# KiCad board sbc.kicad_pcb (continued)
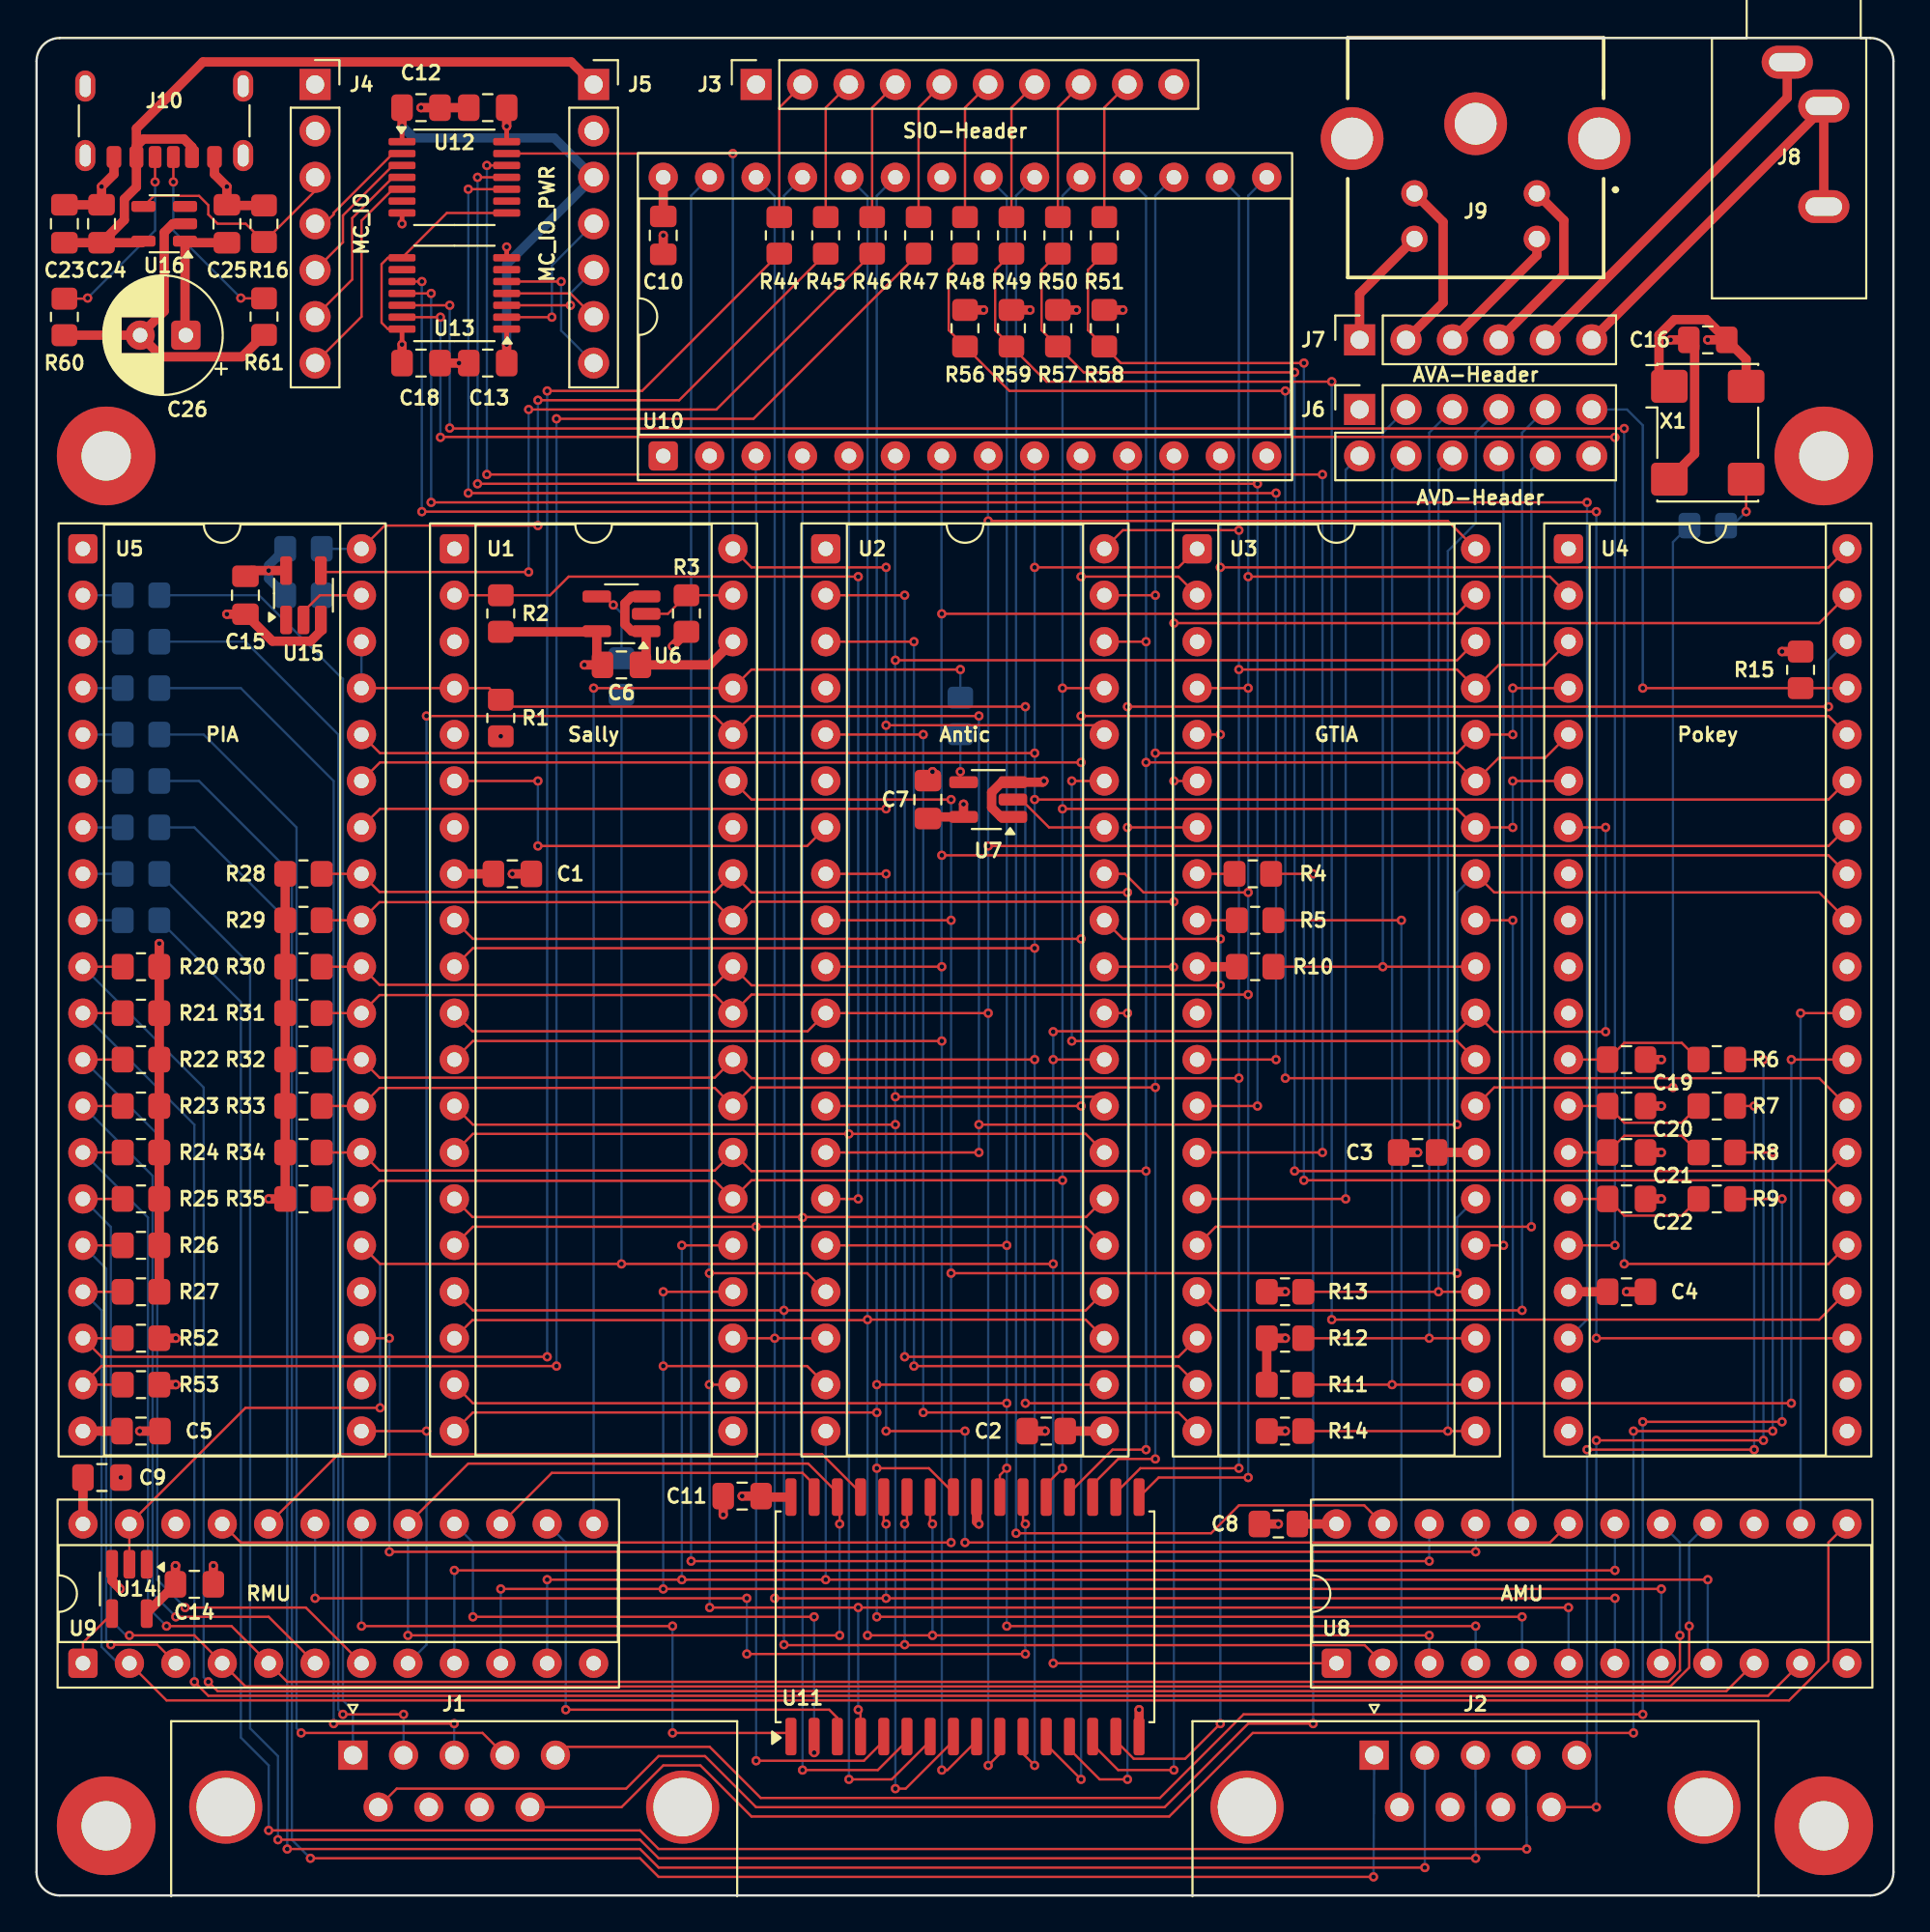
[diagram p0: board, top side]
## Footprints (pads in the part's own frame, mm; a bottom-side part is the same pattern mirrored in y, then rotated) (continued)

## Nets
+3.3VP: C12.1 C13.1 J5.3 U12.1 U13.1
+5V: C1.1 C2.1 C3.1 C4.1 C5.1 C6.1 C7.1 C8.1 C9.1 C10.1 C11.1 C14.1 C15.1 C16.1 C17.1 C18.1 C25.1 C26.1 J1.7 J2.7 J3.1 J6.1 R1.2 R2.2 R3.2 R10.2 R11.2 R12.2 R13.2 R14.2 R15.2 R20.1 R21.1 R22.1 R23.1 R24.1 R25.1 R26.1 R27.1 R28.1 R29.1 R30.1 R31.1 R32.1 R33.1 R34.1 R35.1 R52.1 R53.1 R54.1 R55.1 R56.1 R57.1 R58.1 R59.1 U1.8 U2.4 U2.6 U2.21 U3.10 U3.27 U4.17 U4.31 U5.20 U5.22 U5.24 U6.5 U7.5 U8.24 U9.24 U10.1 U10.28 U11.32 U12.8 U12.14 U13.8 U13.14 U14.5 U15.5 U16.1 X1.1 X1.4
+5VP: C23.1 C24.1 J5.1 J10.A9 J10.B9 U16.5
GND: C1.2 C2.2 C3.2 C4.2 C5.2 C6.2 C7.2 C8.2 C9.2 C10.2 C11.2 C12.2 C13.2 C14.2 C15.2 C16.2 C17.2 C18.2 C19.2 C20.2 C21.2 C22.2 C23.2 C24.2 C25.2 C26.2 J1.8 J2.8 J3.10 J5.2 J6.12 J10.A12 J10.B12 R16.1 R60.1 R61.1 U1.1 U1.21 U1.38 U2.1 U3.3 U3.11 U4.1 U4.8 U4.9 U4.10 U4.11 U5.1 U6.1 U6.3 U7.1 U7.3 U8.12 U9.12 U10.14 U10.22 U11.16 U11.24 U12.7 U13.7 U14.3 U15.3 U16.2 X1.2
/CS_GTIA: U3.32 U8.20
/CS_PIA: U5.23 U8.21
/CS_POKEY: U4.30 U8.14
/CS_RAM: U9.19 U11.22
/CS_ROM: U8.23 U10.20
/HALT: U1.35 U2.9 U3.26 U9.21
/IRQ: R1.1 U1.4 U4.29 U5.37 U5.38
/J1_DOWN: J1.2 R37.2
/J1_LEFT: J1.3 R38.2
/J1_RIGHT: J1.4 R39.2
/J1_TRIGGER: J1.6 R4.2
/J1_UP: J1.1 R36.2
/J2_DOWN: J2.2 R41.2
/J2_LEFT: J2.3 R42.2
/J2_RIGHT: J2.4 R43.2
/J2_TRIGGER: J2.6 R5.2
/J2_UP: J2.1 R40.2
/K0: U4.23 U13.10
/K0_3V3: J5.7 U13.5
/K5: U4.18 U13.11
/K5_3V3: J5.6 U13.4
/KR1: U4.25 U13.12
/KR1_3V3: J5.5 U13.3
/KR2: U4.16 U13.13
/KR2_3V3: J5.4 U13.2
/memory//antic: U9.22
/memory//io: U8.15
/NMI: U1.6 U2.7
/OPTION: U3.14 U12.12
/OPTION_3V3: J4.5 U12.3
/RAM: U8.18 U9.9
/REF: U2.8 U8.19
/RESET: U1.40 U2.36 U5.34 U12.13
/RESET_3V3: J4.4 U12.2
/SELECT: U3.13 U12.11
/SELECT_3V3: J4.6 U12.4
/START: U3.12 U12.10
/START_3V3: J4.7 U12.5
/W: U1.36 U2.14 U3.33 U4.32 U5.21 U9.8
/WE: U9.20 U11.29
A0: U1.9 U2.13 U3.2 U4.36 U5.35 U10.10 U11.12
A1: U1.10 U2.12 U3.1 U4.35 U5.36 U10.9 U11.11
A2: U1.11 U2.11 U3.40 U4.34 U10.8 U11.10
A3: U1.12 U2.10 U3.39 U4.33 U10.7 U11.9
A4: U1.13 U2.28 U3.38 U10.6 U11.8
A5: U1.14 U2.27 U10.5 U11.7
A6: U1.15 U2.26 U10.4 U11.6
A7: U1.16 U2.25 U10.3 U11.5
A8: U1.17 U2.24 U8.2 U10.25 U11.27
A9: U1.18 U2.23 U8.3 U10.24 U11.26
A10: U1.19 U2.16 U8.4 U10.21 U11.23
A11: U1.20 U2.22 U8.5 U10.23 U11.25
A12: U1.22 U2.17 U8.6 U10.2 U11.4
A13: U1.23 U2.18 U8.7 U10.26 U11.28
A14: U1.24 U2.19 U8.8 U9.10
A14_RAM: U9.14 U11.3
A14_ROM: U8.22 U10.27
A15: U1.25 U2.20 U8.9 U9.11
A15_RAM: U9.15 U11.31
A16_RAM: U9.16 U11.2
A17_RAM: U9.17 U11.30
A18_RAM: U9.18 U11.1
ACLK: R50.1 R57.2 U4.27
AN0: U2.2 U3.18
AN1: U2.3 U3.19
AN2: U2.5 U3.20
AUDIO_GND: J7.5 J8.S
AUDIO_OUT: J7.6 J8.R J8.T
BCLK: R51.1 R58.2 U4.26
CA1: R45.1 R54.2 U5.40
CA2: R55.2 U5.39 U15.2
CADJ: J6.9 U3.17
CB1: R44.1 R52.2 U5.18
CB2: R47.1 R53.2 U5.19
COLOR: J6.7 R14.1 U3.21
CSYNC: J6.8 U3.25
D0: R28.2 U1.33 U2.30 U3.7 U4.38 U5.33 U10.11 U11.13
D1: R29.2 U1.32 U2.31 U3.6 U4.39 U5.32 U10.12 U11.14
D2: R30.2 U1.31 U2.32 U3.5 U4.40 U5.31 U10.13 U11.15
D3: R31.2 U1.30 U2.33 U3.4 U4.2 U5.30 U10.15 U11.17
D4: R32.2 U1.29 U2.40 U3.37 U4.3 U5.29 U10.16 U11.18
D5: R33.2 U1.28 U2.39 U3.36 U4.4 U5.28 U10.17 U11.19
D6: R34.2 U1.27 U2.38 U3.35 U4.5 U5.27 U10.18 U11.20
D7: R35.2 U1.26 U2.37 U3.34 U4.6 U5.26 U10.19 U11.21
FPHI0: U2.35 U3.29
GTIA_AUDIO: J6.2 U3.15
J1_POT_A: J1.9 R8.2
J1_POT_B: J1.5 R9.2
J2_POT_A: J2.9 R6.2
J2_POT_B: J2.5 R7.2
LUM0: J6.3 R10.1 U3.31
LUM1: J6.4 R11.1 U3.22
LUM2: J6.5 R12.1 U3.23
LUM3: J6.6 R13.1 U3.24
P0: C21.1 R8.1 U4.14
P1: C22.1 R9.1 U4.15
P2: C19.1 R6.1 U4.12
P3: C20.1 R7.1 U4.13
PA0: R36.1 U5.2
PA1: R37.1 U5.3
PA2: R38.1 U5.4
PA3: R39.1 U5.5
PA4: R40.1 U5.6
PA5: R41.1 U5.7
PA6: R42.1 U5.8
PA7: R43.1 U5.9
PAL: J6.10 U3.16
PB0: R20.2 U5.10 U8.10
PB1: R21.2 U5.11 U8.11
PB2: R22.2 U5.12 U9.7
PB3: R23.2 U5.13 U9.6
PB4: R24.2 U5.14 U8.17 U9.5
PB5: R25.2 U5.15 U8.16 U9.4
PB6: R26.2 U5.16 U9.3
PB7: R27.2 U5.17 U8.13 U9.2
PHI0: R18.2 U1.37 U9.13
PHI2: R19.2 U2.29 U3.30 U4.7 U5.25 U8.1 U9.23 U14.2
POKEY_AUDIO: J6.11 R15.1 U4.37
PWR_ON_3V3: J4.3 R16.2 U16.4
RDY: R2.1 U1.2 U2.15
SID: R49.1 R59.2 U4.24
SIO_CLOCK_IN: J3.9 R51.2
SIO_CLOCK_OUT: J3.8 R50.2
SIO_COMMAND: J3.5 R47.2
SIO_DATA_IN: J3.7 R49.2
SIO_DATA_OUT: J3.6 R48.2
SIO_IRQ: J3.2 R44.2
SIO_MOTOR: J3.4 R46.2
SIO_PROCEED: J3.3 R45.2
SOD: R48.1 R56.2 U4.28
SVIDEO_C: J7.3 J9.4
SVIDEO_C_GND: J7.4 J9.2
SVIDEO_Y: J7.1 J9.3
SVIDEO_Y_GND: J7.2 J9.1
T0: R4.1 U3.8
T1: R5.1 U3.9
Net-(J10-CC1): J10.A5 R61.2
Net-(J10-CC2): J10.B5 R60.2
Net-(R18-Pad1): R18.1 U7.4
Net-(R19-Pad1): R19.1 U6.4
Net-(R46-Pad1): R46.1 U15.4
Net-(U1-PHI2): R3.1 U1.39 U6.2
Net-(U2-PHI0): U2.34 U7.2
Net-(U3-OSC): R17.1 U3.28
Net-(U9-CLK/IN1): U9.1 U14.4
Net-(X1-OUT): R17.2 X1.3

Pads without a net: H1 1; H2 1; H3 1; H4 1; J1 0; J2 0; J4 1 2; J9 MH1 MH2 MH3; J10 S1; U1 3 5 7 34; U4 19 20 21 22; U12 6 9; U13 6 9; U14 1; U15 1; U16 3

## Via types
v1: diameter 0.508, hole 0.254, Top to Bottom, 337 vias

## Routing (per net, layer and track width the routed paths; a pad name or vN(x,y) marks a point on that pad's centre or on a via; arc(x,y) is an arc through that point)
+3.3VP: length 26.5
  Top w0.254: v1(20,96.77) U12.1 ; U13.1 v1(25.72,84.84)
  Top w0.508: C12.1 v1(20,96.77) ; C13.1 v1(25.72,84.84)
  Bottom w0.508: v1(20,96.77) 20.63,96.14 28.32,96.14 J5.3 25.72,89.22 v1(25.72,84.84)
+5V: length 128.8
  Top w0.127: U13.14 19.23,85.68 18.88,86.03 18.88,89.23 19.23,89.58 U13.8 22.45,92.03 U12.8
  Top w0.254: U12.14 v1(25.72,96.77) ; v1(20,84.84) U13.14
  Top w0.508: R13.2 v1(68.33,33.02) ; C2.1 U2.21 ; C17.1 v1(25.72,96.77) ; C16.1 v1(91.44,85.09) ; C16.1 93.54,84.03 X1.4 ; C16.1 91.37,86.2 89.62,86.2 88.77,85.35 88.77,83.12 X1.1 ; v1(29.97,67.31) C6.1 30.65,67.62 U6.5 30.04,69.15 30,69.12 R2.2 ; v1(12.7,38.1) R35.1 R28.1 ; R57.1 v1(56.9,86.73) ; v1(38.61,21.84) C11.1 39.7,21.79 U11.32 ; C3.1 U3.27 ; U15.5 v1(12.7,72.47) 11.74,72.47 C15.1 ; v1(6.72,52.07) R20.1 R27.1 ; v1(34.8,68.33) 35.56,69.09 R3.2 ; C9.1 U9.24 ; C1.1 U1.8 ; C26.1 8.12,85.39 U16.1 8.21,90.4 C25.1 ; R59.1 v1(54.36,86.73) ; v1(50.72,59.69) U7.5 48.86,58.99 C7.1 ; R14.2 v1(68.33,25.4) ; R56.1 v1(51.82,86.73) ; C10.1 34.29,93.96 ; 7.6,18.01 7.62,18.03 ; R53.1 v1(7.62,27.94) ; 6.03,15.45 C14.1 v1(7.6,18.03) ; R52.1 v1(7.62,30.48) ; R58.1 v1(59.44,86.73) ; v1(95.5,68.04) R15.2 ; v1(68.33,30.48) R12.2 R11.2 ; C8.1 U8.24 ; C5.1 U5.20 ; R10.2 U3.10 ; C4.1 U4.17 ; C18.1 v1(20,84.84)
  Bottom w0.508: R55.1 12.7,72.03 v1(12.7,72.47) 12.7,72.76 R54.1
  vias: v1(25.4,63.41)
+5VP: length 43
  Top w0.508: J10.B9 8.51,95.64 8.07,96.07 5.85,96.07 5.47,95.69 J10.A9 ; J10.A9 5.47,93.45 4.8,92.79 4.8,91.65 C24.1 ; J10.A9 5.47,96.65 9.11,100.29 29.25,100.29 J5.1 ; U16.5 5.76,90.4 C24.1 ; C24.1 C23.1
GND: length 85.1
  Top w0.254: U13.7 v1(25.72,90.17) ; v1(20,91.44) U12.7
  Top w0.508: C2.2 v1(55.18,25.4) ; R61.1 11.25,84.16 6.85,84.16 C26.2 ; C4.2 v1(87,33.02) ; U15.3 15.56,69.17 15,68.61 12.9,68.61 C15.2 v1(10.41,70.08) ; C11.2 v1(37.57,20.83) ; U11.24 51.44,20.45 v1(51.56,20.32) ; v1(67.94,20.32) C8.2 ; v1(49.02,61.47) 49.02,61.24 C7.2 ; C13.2 v1(23.11,83.82) C18.2 ; C22.2 v1(88.9,38.1) ; C5.2 v1(5.65,25.4) ; v1(55.12,60.96) 55.05,60.89 U7.3 52.82,60.89 52.26,60.34 52.26,59.5 52.77,58.99 U7.1 ; v1(21.04,97.79) C12.2 C17.2 ; C21.2 v1(88.9,40.64) ; C26.2 6.98,86.66 6.98,90.96 7.46,91.44 U16.2 ; C26.2 R60.1 ; C23.2 C24.2 v1(3.56,93.47) 4.23,94.15 J10.A12 ; C19.2 v1(88.9,45.72) ; X1.2 90.72,78.85 90.72,84.77 C16.2 v1(89.41,85.09) ; C1.2 v1(26.04,55.88) ; C3.2 v1(75.56,40.64) ; R16.1 10.45,92.44 C25.2 v1(10.41,93.47) 9.73,94.15 J10.B12 ; U11.16 v1(60.33,10.16) ; C14.2 v1(9.67,18.03) ; C10.2 v1(34.29,90.81) ; U1.38 36.83,67.31 C6.2 33.35,67.62 U6.1 32.57,69.15 32.19,69.54 32.19,70.67 32.57,71.05 U6.3 ; v1(4.57,16.76) 4.13,17.21 U14.3 ; C20.2 v1(88.9,43.18)
  vias: v1(4.62,22.86)
/CS_GTIA: length 34.5
  Top w0.127: v1(80.77,53.34) U3.32
  Bottom w0.127: 80.77,20.83 v1(80.77,53.34)
/CS_PIA: length 74.2
  Top w0.127: v1(19.3,18.8) v1(78.74,18.8) ; U5.23 v1(19.3,30.48)
  Bottom w0.127: v1(19.3,30.48) v1(19.3,18.8) ; v1(78.74,18.8) U8.21
/CS_POKEY: length 30.5
  Top w0.127: v1(96.52,48.26) U4.30
  Bottom w0.127: U8.14 v1(96.52,48.26)
/CS_RAM: length 54.6
  Top w0.127: v1(54.1,20.32) 53.97,20.45 U11.22 ; v1(38.86,13.21) v1(54.1,13.21) ; v1(38.86,16.26) v1(15.24,16.26)
  Bottom w0.127: v1(54.1,13.21) v1(54.1,20.32) ; v1(38.86,13.21) v1(38.86,16.26) ; v1(15.24,16.26) U9.19
/CS_ROM: length 95.7
  Top w0.127: U8.23 72.64,21.34 65.79,21.34 64.26,19.81 v1(53.59,19.81)
  Bottom w0.127: v1(53.59,19.81) 53.59,92.97 54.59,93.98
/HALT: length 132.3
  Top w0.127: U1.35 39.12,59.94 v1(50.04,59.94) ; v1(77.72,34.04) v1(50.04,34.04) ; U9.21 11.18,19.3 v1(50.04,19.3) ; U2.9 v1(50.04,53.34)
  Bottom w0.127: v1(77.72,34.04) 77.72,37.08 U3.26 ; v1(50.04,59.94) v1(50.04,53.34) v1(50.04,34.04) v1(50.04,19.3)
/IRQ: length 140.6
  Top w0.127: v1(54.1,65.02) 25.78,65.02 ; U4.29 v1(96.01,45.72) ; U5.37 U1.4 24.77,66.04 R1.1 ; v1(96.01,26.92) v1(54.1,26.92)
  Bottom w0.127: U5.37 U5.38 ; v1(54.1,26.92) v1(54.1,65.02) ; v1(96.01,45.72) v1(96.01,26.92)
/J1_DOWN: length 71.1
  Top w0.127: v1(16.76,9.91) v1(20.08,9.91)
  Bottom w0.127: v1(16.76,9.91) 16.51,10.16 16.51,63.5 11.43,68.58 R37.2 ; J1.2 v1(20.08,9.91)
/J1_LEFT: length 71.5
  Top w0.127: v1(16.26,9.4) v1(22.85,9.4)
  Bottom w0.127: v1(22.85,9.4) J1.3 ; R38.2 11.18,66.04 16.26,60.96 v1(16.26,9.4)
/J1_RIGHT: length 70.9
  Top w0.127: v1(14.48,8.89) 24.4,8.89 J1.4
  Bottom w0.127: v1(14.48,8.89) 14.22,9.14 14.22,58.42 9.14,63.5 R39.2
/J1_TRIGGER: length 104.1
  Top w0.127: v1(69.85,55.88) R4.2 ; J1.6 19.71,5.84 32.26,5.84 34.04,7.62 36.58,7.62 39.37,4.83 61.72,4.83 66.29,9.4 v1(69.85,9.4)
  Bottom w0.127: v1(69.85,9.4) v1(69.85,55.88)
/J1_UP: length 71
  Bottom w0.127: R36.2 12.17,71.12 16.75,66.55 16.76,66.55 16.76,10.67 17.31,10.12 J1.1
/J2_DOWN: length 128.7
  Top w0.127: v1(13.72,2.54) 33.02,2.54 34.04,1.52 v1(75.96,1.52)
  Bottom w0.127: R41.2 8.64,58.42 13.72,53.34 v1(13.72,2.54) ; J2.2 v1(75.96,1.52)
/J2_LEFT: length 127.1
  Top w0.127: v1(78.74,2.03) 34.04,2.03 33.02,3.05 v1(13.21,3.05)
  Bottom w0.127: v1(13.21,3.05) 13.21,7.62 11.68,9.14 11.68,50.91 R42.2 ; J2.3 v1(78.74,2.03)
/J2_RIGHT: length 126.6
  Top w0.127: v1(12.7,3.56) 33.02,3.56 34.04,2.54 v1(81.53,2.54)
  Bottom w0.127: v1(12.7,3.56) 12.7,7.11 11.18,8.64 11.18,48.88 R43.2 ; J2.4 v1(81.53,2.54)
/J2_TRIGGER: length 55.4
  Top w0.127: v1(74.68,53.34) R5.2
  Bottom w0.127: v1(74.68,53.34) 74.68,4.93
/J2_UP: length 128.9
  Top w0.127: v1(14.99,2.03) 33.02,2.03 34.04,1.02 v1(73.15,1.02)
  Bottom w0.127: J2.1 v1(73.15,1.02) ; R40.2 8.89,60.96 13.97,55.88 13.97,3.05 v1(14.99,2.03)
/K0: length 136.9
  Top w0.127: v1(21.08,75.69) v1(85.34,75.69) ; v1(85.34,30.48) U4.23 ; U13.10 v1(21.08,88.28)
  Bottom w0.127: v1(85.34,30.48) v1(85.34,75.69) ; v1(21.08,88.28) v1(21.08,75.69)
/K0_3V3: length 8.2
  Top w0.127: U13.5 v1(28.7,88.28)
  Bottom w0.127: v1(28.7,88.28) 28.7,85.6 J5.7
/K5: length 122.4
  Top w0.127: U13.11 v1(21.59,87.63) ; v1(21.59,76.2) v1(84.84,76.2)
  Bottom w0.127: v1(84.84,76.2) 84.84,31.5 U4.18 ; v1(21.59,76.2) v1(21.59,87.63)
/K5_3V3: length 5.3
  Top w0.127: U13.4 29.21,87.63 J5.6
/KR1: length 131.9
  Top w0.127: v1(86.87,34.54) 98.04,34.54 U4.25 ; U13.12 v1(22.61,86.98) ; v1(22.61,80.26) 22.63,80.24 v1(86.87,80.24)
  Bottom w0.127: v1(22.61,80.26) v1(22.61,86.98) ; v1(86.87,80.24) v1(86.87,34.54)
/KR1_3V3: length 5.9
  Top w0.127: U13.3 v1(29.21,86.98)
  Bottom w0.127: J5.5 29.21,87.63 v1(29.21,86.98)
/KR2: length 119.7
  Top w0.127: U13.13 v1(22.1,86.33) ; v1(86.36,35.56) U4.16 ; v1(22.1,79.76) 22.12,79.78 86.34,79.78 v1(86.36,79.76)
  Bottom w0.127: v1(86.36,79.76) v1(86.36,35.56) ; v1(22.1,79.76) v1(22.1,86.33)
/KR2_3V3: length 8.5
  Top w0.127: U13.2 v1(28.19,86.33)
  Bottom w0.127: J5.4 28.19,89.15 v1(28.19,86.33)
/NMI: length 24.3
  Top w0.127: v1(27.43,60.96) U1.6 ; U2.7 42.16,57.4 v1(27.43,57.4)
  Bottom w0.127: v1(27.43,57.4) v1(27.43,60.96)
/OPTION: length 107.7
  Top w0.127: U3.14 v1(70.36,40.64) ; v1(24.64,94.63) U12.12 ; v1(70.36,77.72) v1(24.64,77.72)
  Bottom w0.127: v1(24.64,94.63) v1(24.64,77.72) ; v1(70.36,77.72) v1(70.36,40.64)
/OPTION_3V3: length 7.5
  Top w0.127: 19.5,94.63 16.76,91.89 16.76,90.42 J4.5
/RAM: length 71.1
  Top w0.127: v1(86.36,17.78) v1(22.86,17.78)
  Bottom w0.127: v1(86.36,17.78) U8.18 ; v1(22.86,17.78) U9.9
/REF: length 77.6
  Top w0.127: v1(46.48,25.4) v1(50.8,25.4) ; v1(50.8,19.3) 82.8,19.3 U8.19 ; U2.8 v1(46.48,55.88)
  Bottom w0.127: v1(50.8,25.4) v1(50.8,19.3) ; v1(46.48,55.88) v1(46.48,25.4)
/RESET: length 96.6
  Top w0.127: v1(46.48,64.01) 57.91,64.01 ; v1(38.1,95.28) U12.13 ; v1(46.48,72.64) 39.12,72.64 U1.40 ; U5.34 18.79,59.44 v1(46.48,59.44)
  Bottom w0.127: v1(38.1,95.28) U1.40 ; v1(46.48,72.64) v1(46.48,64.01) v1(46.48,59.44)
/RESET_3V3: length 5.4
  Top w0.127: 15.75,91.44 16.26,91.95 16.26,92.04 19.5,95.28
/SELECT: length 98.4
  Top w0.127: v1(24.13,93.98) U12.11 ; v1(66.8,77.22) v1(24.13,77.22) ; U3.13 v1(66.8,43.18)
  Bottom w0.127: v1(66.8,77.22) v1(66.8,43.18) ; v1(24.13,77.22) v1(24.13,93.98)
/SELECT_3V3: length 9.4
  Top w0.127: 19.5,93.98 17.27,91.75 17.27,88.39 J4.6
/START: length 98.2
  Top w0.127: v1(23.62,93.33) U12.10 ; v1(67.82,45.72) U3.12 ; v1(67.82,76.71) v1(23.62,76.71)
  Bottom w0.127: v1(67.82,45.72) v1(67.82,76.71) ; v1(23.62,93.33) v1(23.62,76.71)
/START_3V3: length 11.3
  Top w0.127: 19.5,93.33 17.78,91.61 17.78,86.36 J4.7
/W: length 180.8
  Top w0.127: U2.14 v1(51.56,40.64) ; U3.33 79.76,54.86 97.54,54.86 U4.32 ; v1(21.34,25.4) U5.21 ; v1(21.34,64.52) 37.08,64.52 U1.36 39.12,64.52 v1(51.56,64.52) ; v1(77.72,42.16) v1(51.56,42.16)
  Bottom w0.127: v1(51.56,40.64) v1(51.56,42.16) v1(51.56,64.52) ; U9.8 21.34,13.72 v1(21.34,25.4) v1(21.34,64.52) ; U3.33 77.72,54.86 v1(77.72,42.16)
/WE: length 34.8
  Top w0.127: 45.09,22.03 42.98,24.13 16.51,24.13 U9.20
A0: length 212.7
  Top w0.127: v1(57.15,64.52) 98.04,64.52 U4.36 ; U3.2 62.48,72.14 v1(57.15,72.14) ; U2.13 v1(57.15,43.18) ; v1(57.15,52.32) 23.88,52.32 U1.9 ; v1(57.15,6.35) 55.25,8.25 ; v1(57.15,61.98) 18.79,61.98 U5.35
  Bottom w0.127: 57.14,78.73 57.14,72.15 v1(57.15,72.14) v1(57.15,6.35)
A1: length 207.5
  Top w0.127: v1(54.61,7.11) 53.97,7.75 ; U5.36 18.79,62.48 v1(54.61,62.48) ; U3.1 62.48,72.64 v1(54.61,72.64) ; U2.12 v1(54.61,45.72) ; v1(54.61,59.94) 98.04,59.94 U4.35 ; U1.10 23.88,51.82 v1(54.61,51.82)
  Bottom w0.127: 54.61,78.72 v1(54.61,72.64) v1(54.61,45.72) v1(54.61,7.11)
A2: length 177.3
  Top w0.127: v1(52.07,48.26) U2.11 42.19,47.27 23.85,47.27 U1.11 ; U3.40 77.22,75.18 v1(52.07,75.18) ; v1(52.07,57.4) 98.04,57.4 U4.34 ; v1(52.07,7.11) 52.71,7.75
  Bottom w0.127: v1(52.07,7.11) v1(52.07,57.4) v1(52.07,75.18) 52.06,75.2 52.06,78.73
A3: length 187.5
  Top w0.127: 51.44,8.45 49.84,6.86 v1(49.53,6.86) ; U4.33 98.04,56.9 v1(49.53,56.9) ; U1.12 23.88,46.74 v1(49.53,46.74) ; U3.39 77.72,70.1 v1(49.53,70.1) ; U2.10 v1(49.53,50.8)
  Bottom w0.127: 49.52,78.73 49.52,46.75 v1(49.53,46.74) v1(49.53,6.86)
A4: length 144.8
  Top w0.127: U3.38 77.72,67.56 v1(46.99,67.56) ; v1(46.99,42.16) 23.88,42.16 U1.13 ; 50.16,8.45 47.55,5.84 v1(46.99,5.84) ; v1(46.99,43.69) 57.91,43.69
  Bottom w0.127: 46.97,78.73 46.97,42.18 v1(46.99,42.16) v1(46.99,5.84)
A5: length 114.1
  Top w0.127: U2.27 57.4,41.66 v1(44.45,41.66) 23.88,41.66 U1.14 ; v1(44.45,6.35) 46.79,6.35 48.9,8.45
  Bottom w0.127: 44.45,78.72 v1(44.45,41.66) v1(44.45,6.35)
A6: length 114.6
  Top w0.127: 47.62,8.45 46.03,6.86 v1(41.91,6.86) ; U1.15 23.85,37.11 57.43,37.11 U2.26
  Bottom w0.127: U10.4 v1(41.91,37.08) v1(41.91,6.86)
A7: length 115.2
  Top w0.127: 46.36,8.45 45.27,7.37 v1(39.37,7.37) ; U2.25 57.4,36.58 v1(39.37,36.58) 23.88,36.58 U1.16
  Bottom w0.127: 39.36,78.73 39.36,76.22 39.37,76.2 v1(39.37,36.58) v1(39.37,7.37)
A8: length 158.4
  Top w0.127: U2.24 57.4,32 v1(40.89,32) 23.88,32 U1.17 ; U11.27 47.62,20.45 v1(47.5,20.32) ; v1(40.89,13.72) 40.92,13.69 72.67,13.69 U8.2
  Bottom w0.127: 41.9,93.98 40.89,92.97 v1(40.89,13.72) ; v1(47.5,13.72) v1(47.5,20.32)
A9: length 156.5
  Top w0.127: U1.18 23.85,31.47 45.44,31.47 v1(45.47,31.5) 57.4,31.5 U2.23 ; v1(49.02,20.32) 48.9,20.45 U11.26 ; v1(45.47,14.22) v1(49.02,14.22) v1(76.2,14.22)
  Bottom w0.127: v1(45.47,14.22) 45.47,92.94 44.44,93.98 ; v1(76.2,14.22) U8.3 ; v1(49.02,20.32) v1(49.02,14.22)
A10: length 149.6
  Top w0.127: v1(53.09,23.37) 52.71,22.99 U11.23 ; U1.19 23.88,26.92 v1(53.09,26.92) ; v1(78.74,14.73) v1(53.09,14.73) ; U2.16 v1(53.09,35.56)
  Bottom w0.127: 52.06,93.98 53.09,92.94 v1(53.09,23.37) v1(53.09,14.73) ; v1(78.74,14.73) U8.4
A11: length 157.7
  Top w0.127: v1(45.97,26.42) 23.88,26.42 U1.20 ; v1(45.97,23.37) 48.82,23.37 50.16,22.03 ; v1(81.28,15.24) v1(45.97,15.24) ; U2.22 v1(45.97,27.94)
  Bottom w0.127: v1(81.28,15.24) U8.5 ; v1(45.97,15.24) v1(45.97,26.42) 45.97,92.97 46.97,93.98
A12: length 128.2
  Top w0.127: v1(83.82,15.75) v1(44.96,15.75) v1(36.83,15.75) ; U2.17 42.16,34.04 v1(36.81,34.04) ; U11.4 45.09,10.03 v1(44.96,10.16) ; 36.81,27.96 36.83,27.94 U1.22
  Bottom w0.127: v1(36.81,27.94) 36.83,27.93 v1(36.83,15.75) ; 36.81,27.96 v1(36.81,34.04) 36.81,78.73 ; v1(83.82,15.75) U8.6 ; v1(44.96,10.16) v1(44.96,15.75)
A13: length 138.3
  Top w0.127: v1(46.48,20.32) 46.36,20.45 U11.28 ; v1(40.39,16.26) v1(46.48,16.26) v1(86.36,16.26) ; U1.23 v1(40.39,30.48) U2.18
  Bottom w0.127: 39.36,93.98 40.39,92.94 v1(40.39,16.26) ; U8.7 v1(86.36,16.26) ; v1(46.48,20.32) v1(46.48,16.26)
A14: length 101
  Top w0.127: U2.19 42.16,28.96 v1(34.29,28.96) ; v1(25.4,16.76) v1(34.29,16.76) v1(88.9,16.76) ; U1.24 v1(34.29,33.02)
  Bottom w0.127: v1(25.4,16.76) U9.10 ; v1(34.29,16.76) v1(34.29,28.96) v1(34.29,33.02) ; U8.8 v1(88.9,16.76)
A14_RAM: length 26.6
  Top w0.127: v1(28.96,10.16) 43.37,10.16 43.81,9.71 U11.3
  Bottom w0.127: U9.14 28.96,19.3 v1(28.96,10.16)
A14_ROM: length 118.5
  Top w0.127: v1(76.2,18.29) v1(35.81,18.29)
  Bottom w0.127: 36.81,93.98 35.81,92.97 v1(35.81,18.29) ; U8.22 v1(76.2,18.29)
A15: length 102.1
  Top w0.127: v1(35.31,35.56) U1.25 ; 35.56,17.27 v1(27.94,17.27) ; 35.56,17.27 v1(35.31,17.27) ; 35.56,17.27 v1(43.18,17.27) v1(91.44,17.27)
  Bottom w0.127: v1(35.31,17.27) v1(35.31,35.56) ; U2.20 v1(43.18,17.27) ; v1(27.94,17.27) U9.11 ; U8.9 v1(91.44,17.27)
A15_RAM: length 18.6
  Top w0.127: 42.55,22.48 41.91,23.11 28.19,23.11 U9.15
A16_RAM: length 31.6
  Top w0.127: v1(42.55,15.24) v1(23.88,15.24)
  Bottom w0.127: U9.16 23.88,19.3 v1(23.88,15.24) ; v1(42.55,15.24) v1(42.55,7.81)
A17_RAM: length 62.7
  Top w0.127: v1(20.32,14.22) v1(43.94,14.22) ; U9.17 23.62,23.62 42.22,23.62 43.81,22.03 ; v1(43.94,20.32) 43.94,21.66
  Bottom w0.127: v1(43.94,14.22) v1(43.94,20.32) ; U9.17 v1(20.32,14.22)
A18_RAM: length 34.7
  Top w0.127: v1(17.78,14.73) v1(34.8,14.73) ; v1(34.8,8.89) 41.08,8.89
  Bottom w0.127: U9.18 v1(17.78,14.73) ; v1(34.8,14.73) v1(34.8,8.89)
ACLK: length 93.7
  Top w0.127: U4.27 98.04,39.62 v1(68.83,39.62) ; R50.1 54.99,88.91 54.99,85.62 R57.2 57.29,83.31 v1(68.83,83.31)
  Bottom w0.127: v1(68.83,39.62) v1(68.83,83.31)
AN0: length 62.4
  Top w0.127: U3.18 62.48,29.46 v1(47.5,29.46) ; U2.2 v1(47.5,71.12)
  Bottom w0.127: v1(47.5,29.46) v1(47.5,71.12)
AN1: length 60.4
  Top w0.127: v1(48.01,28.96) 62.48,28.96 U3.19 ; v1(48.01,68.58) U2.3
  Bottom w0.127: v1(48.01,68.58) v1(48.01,28.96)
AN2: length 57.8
  Top w0.127: U3.20 62.48,26.42 v1(48.51,26.42) ; v1(48.51,63.5) U2.5
  Bottom w0.127: v1(48.51,63.5) v1(48.51,26.42)
AUDIO_GND: length 20.7
  Top w0.508: J8.S 95.79,98.33 J7.5
AUDIO_OUT: length 23.5
  Top w0.508: J8.R J8.T ; J7.6 97.79,97.79
BCLK: length 92
  Top w0.127: U4.26 98.04,39.12 v1(69.34,39.12) ; R51.1 57.53,88.91 57.53,85.62 R58.2 59.33,83.82 v1(69.34,83.82)
  Bottom w0.127: v1(69.34,83.82) v1(69.34,39.12)
CA1: length 38.3
  Top w0.127: U5.40 19.05,74.93 v1(27.43,74.93) ; v1(27.43,81.79) 35.16,81.79 R45.1
  Bottom w0.127: v1(27.43,74.93) v1(27.43,81.79) ; R54.2 U5.40
CA2: length 5.7
  Top w0.127: 14.61,70.23 15.5,71.12 U5.39
  Bottom w0.127: R55.2 U5.39
CADJ: length 68
  Top w0.127: U3.17 64.52,32 v1(81.28,32)
  Bottom w0.127: v1(81.28,32) 81.28,80.01 J6.9
CB1: length 96.6
  Top w0.127: v1(27.94,29.46) 3.55,29.46 U5.18 R52.2 ; v1(27.94,82.3) 33.13,82.3 R44.1
  Bottom w0.127: v1(27.94,29.46) v1(27.94,82.3)
CB2: length 103.9
  Top w0.127: v1(28.45,28.96) 3.55,28.96 U5.19 R53.2 ; R47.1 39.23,80.77 v1(28.45,80.77)
  Bottom w0.127: v1(28.45,80.77) v1(28.45,28.96)
COLOR: length 66.5
  Top w0.127: U3.21 v1(77.22,25.4) R14.1
  Bottom w0.127: J6.7 78.74,80.01 78.74,75.06 77.22,73.54 v1(77.22,25.4)
CSYNC: length 44.2
  Top w0.127: v1(80.26,35.56) U3.25
  Bottom w0.127: 80.26,78.23 v1(80.26,35.56)
D0: length 169
  Top w0.127: U2.30 v1(59.69,48.26) ; R28.2 U5.33 18.77,54.89 37.11,54.89 U1.33 39.12,54.86 v1(59.69,54.86) ; v1(59.69,58.42) U3.7 ; 56.52,8 58.17,6.35 v1(59.69,6.35) ; v1(59.69,65.02) v1(98.04,65.02)
  Bottom w0.127: v1(98.04,65.02) 98.04,67.56 U4.38 ; 59.69,78.72 v1(59.69,65.02) v1(59.69,6.35)
D1: length 186.1
  Top w0.127: v1(62.23,69.6) 97.54,69.6 U4.39 ; R29.2 U5.32 18.77,54.33 37.11,54.33 U1.32 39.12,54.36 v1(62.23,54.36) ; 57.78,8.25 59.18,6.86 v1(62.23,6.86) ; v1(62.22,50.79) 62.2,50.8 U2.31 ; v1(62.23,60.96) U3.6
  Bottom w0.127: v1(62.23,6.86) v1(62.23,69.6) ; 62.22,78.73 v1(62.22,50.79)
D2: length 169.4
  Top w0.127: v1(64.77,49.78) 39.12,49.78 U1.31 37.11,49.81 18.77,49.81 U5.31 R30.2 ; v1(64.77,63.5) U3.5 ; U2.32 59.44,52.32 v1(64.77,52.32) ; U4.40 98.04,72.64 v1(64.77,72.64) ; v1(64.77,9.4) 62.85,7.47 60.03,7.47 59.06,8.45
  Bottom w0.127: v1(64.77,9.4) v1(64.77,49.78) v1(64.77,52.32) v1(64.77,63.5) v1(64.77,72.64) 64.77,76.71 64.75,76.72 64.75,78.73
D3: length 158.9
  Top w0.127: v1(66.29,54.86) 60.57,54.86 59.55,55.88 U2.33 ; U4.2 82.8,72.14 v1(66.29,72.14) ; v1(66.29,22.86) 61.4,22.86 U11.17 ; R31.2 U5.30 18.77,49.25 37.11,49.25 U1.30 39.12,49.28 v1(66.29,49.28) ; U3.4 v1(66.29,66.04)
  Bottom w0.127: v1(66.29,22.86) v1(66.29,49.28) v1(66.29,54.86) v1(66.29,66.04) 66.29,92.97 67.3,93.98
D4: length 157
  Top w0.127: U4.3 82.55,67.31 80.01,67.31 U3.37 77.72,67.06 v1(65.79,67.06) ; U2.40 59.44,74.68 v1(65.79,74.68) ; 59.06,22.03 60.4,23.37 v1(65.79,23.37) ; R32.2 U5.29 18.77,44.73 37.11,44.73 U1.29 39.12,44.7 v1(65.79,44.7)
  Bottom w0.127: v1(65.79,23.37) 65.79,92.94 64.75,93.98
D5: length 149.5
  Top w0.127: U2.39 v1(61.21,71.12) ; v1(61.21,62.48) 77.72,62.48 U3.36 v1(80.77,63.5) ; v1(61.21,44.2) 39.12,44.2 U1.28 37.11,44.17 18.77,44.17 U5.28 R33.2 ; U4.4 v1(80.77,66.04) ; 57.78,22.48 59.18,23.88 v1(61.21,23.88)
  Bottom w0.127: v1(61.21,23.88) 61.21,92.97 62.22,93.98 ; v1(80.77,66.04) 80.77,63.75
D6: length 148.4
  Top w0.127: v1(60.71,24.38) 58.87,24.38 56.52,22.03 ; v1(60.71,61.98) 77.72,61.98 U3.35 80.01,62.23 82.55,62.23 U4.5 ; R34.2 U5.27 18.77,39.65 37.11,39.65 U1.27 39.12,39.62 v1(60.71,39.62) ; U2.38 v1(60.71,68.58)
  Bottom w0.127: 59.68,93.98 60.71,92.94 v1(60.71,39.62) v1(60.71,24.38)
D7: length 147
  Top w0.127: v1(80.77,58.42) U3.34 77.72,59.44 v1(56.13,59.44) ; v1(56.13,23.37) 55.25,22.48 ; R35.2 U5.26 18.77,39.09 37.11,39.09 U1.26 39.12,39.12 v1(56.13,39.12) ; U4.6 v1(80.77,60.96) ; U2.37 v1(56.13,66.04)
  Bottom w0.127: 57.14,93.98 56.13,92.97 v1(56.13,23.37) ; v1(80.77,60.96) v1(80.77,58.42)
FPHI0: length 38.5
  Top w0.127: v1(56.64,60.96) U2.35 ; v1(56.64,46.74) 77.72,46.74 U3.29
  Bottom w0.127: v1(56.64,60.96) v1(56.64,46.74)
GTIA_AUDIO: length 49.1
  Top w0.127: v1(71.63,38.1) U3.15
  Bottom w0.127: J6.2 71.63,77.98 v1(71.63,38.1)
J1_POT_A: length 105.8
  Top w0.127: v1(95,40.64) R8.2 ; v1(87.38,8.89) 66.55,8.89 61.98,4.32 39.12,4.32 36.32,7.11 34.29,7.11 32.01,4.83 J1.9 ; v1(87.38,25.4) v1(95,25.4)
  Bottom w0.127: v1(87.38,8.89) v1(87.38,25.4) ; v1(95,40.64) v1(95,25.4)
J1_POT_B: length 100.5
  Top w0.127: 28.85,8.13 36.83,8.13 39.62,5.33 61.47,5.33 66.04,9.91 v1(87.88,9.91) ; v1(95.5,38.1) R9.2 ; v1(87.88,25.91) v1(95.5,25.91)
  Bottom w0.127: v1(87.88,9.91) v1(87.88,25.91) ; v1(95.5,25.91) v1(95.5,38.1)
J2_POT_A: length 54
  Top w0.127: v1(85.34,24.89) v1(94.49,24.89) ; v1(94.49,45.72) R6.2 ; v1(85.34,4.83) J2.9
  Bottom w0.127: v1(85.34,4.83) v1(85.34,24.89) ; v1(94.49,24.89) v1(94.49,45.72)
J2_POT_B: length 45.9
  Top w0.127: v1(84.84,24.38) v1(93.98,24.38) ; v1(93.98,43.18) R7.2
  Bottom w0.127: v1(93.98,24.38) v1(93.98,43.18) ; J2.5 84.84,8.24 v1(84.84,24.38)
LUM0: length 42.1
  Top w0.127: U3.31 v1(73.66,50.8) R10.1
  Bottom w0.127: v1(73.66,50.8) 73.66,80.01 J6.3
LUM1: length 60.5
  Top w0.127: U3.22 v1(74.17,27.94) R11.1
  Bottom w0.127: v1(74.17,27.94) 74.17,77.98 J6.4
LUM2: length 60.8
  Top w0.127: R12.1 v1(76.2,30.48) U3.23
  Bottom w0.127: v1(76.2,30.48) 76.2,80.01 J6.5
LUM3: length 55.5
  Top w0.127: R13.1 v1(76.71,33.02) U3.24
  Bottom w0.127: J6.6 76.71,77.98 v1(76.71,33.02)
P0: length 7.9
  Top w0.127: U4.14 C21.1 86.87,41.56 90.02,41.56 R8.1
P1: length 7.9
  Top w0.127: U4.15 C22.1 86.87,37.18 90.02,37.18 R9.1
P2: length 7.9
  Top w0.127: R6.1 90.02,46.64 86.87,46.64 C19.1 U4.12
P3: length 7.9
  Top w0.127: U4.13 C20.1 86.87,42.26 90.02,42.26 R7.1
PA0: length 2.2
  Bottom w0.127: R36.1 U5.2
PA1: length 2.2
  Bottom w0.127: R37.1 U5.3
PA2: length 2.2
  Bottom w0.127: R38.1 U5.4
PA3: length 2.2
  Bottom w0.127: R39.1 U5.5
PA4: length 2.2
  Bottom w0.127: R40.1 U5.6
PA5: length 2.2
  Bottom w0.127: R41.1 U5.7
PA6: length 2.2
  Bottom w0.127: R42.1 U5.8
PA7: length 2.2
  Bottom w0.127: R43.1 U5.9
PAL: length 61.2
  Top w0.127: v1(81.79,36.58) 64.52,36.58 U3.16
  Bottom w0.127: J6.10 81.79,77.98 v1(81.79,36.58)
PB0: length 129.6
  Top w0.127: U8.10 92.46,11.18 9.91,11.18 v1(9.4,11.68) ; R20.2 U5.10
  Bottom w0.127: U5.10 9.14,44.19 9.14,11.94 v1(9.4,11.68)
PB1: length 130
  Top w0.127: R21.2 U5.11 ; U8.11 94.74,10.92 9.4,10.92 v1(8.64,11.68)
  Bottom w0.127: U5.11 8.64,42.16 8.64,11.94
PB2: length 45.4
  Top w0.127: U9.7 14.73,15.75 v1(8.13,15.75) ; R22.2 U5.12
  Bottom w0.127: v1(8.13,15.75) 6.6,17.27 6.6,41.65 U5.12
PB3: length 40.9
  Top w0.127: U9.6 12.7,15.24 v1(7.62,15.24) ; R23.2 U5.13
  Bottom w0.127: v1(7.62,15.24) 6.35,16.51 6.35,39.37 U5.13
PB4: length 122.7
  Top w0.127: R24.2 U5.14 ; v1(89.92,14.22) 89.92,12.32 89.28,11.68 13.72,11.68 U9.5 10.67,14.73 v1(7.11,14.73)
  Bottom w0.127: v1(89.92,14.22) 89.92,19.3 U8.17 ; v1(7.11,14.73) 6.1,15.75 6.1,37.08 U5.14
PB5: length 122.4
  Top w0.127: v1(5.08,14.22) 8.64,14.22 U9.4 11.43,11.43 89.39,11.43 90.42,12.46 v1(90.42,14.73) ; R25.2 U5.15
  Bottom w0.127: v1(90.42,14.73) 90.42,19.3 U8.16 ; v1(5.08,14.22) 4.89,14.22 4.06,15.05 4.06,36.57 U5.15
PB6: length 28.6
  Top w0.127: R26.2 U5.16 ; U9.3 6.6,13.72 v1(4.06,13.72)
  Bottom w0.127: v1(4.06,13.72) 3.81,13.97 3.81,34.29 U5.16
PB7: length 125.9
  Top w0.127: U8.13 98.04,19.3 98.04,12.82 95.89,10.67 7.11,10.67 U9.2 ; R27.2 U5.17
  Bottom w0.127: 4.45,12.7 3.56,13.6 3.56,32 U5.17
PHI0: length 67.7
  Top w0.127: v1(30.48,66.04) U1.37 39.12,67.06 v1(50.55,67.06)
  Bottom w0.127: R18.2 v1(50.55,67.06) ; U9.13 v1(30.48,66.04)
PHI2: length 194.4
  Top w0.127: v1(18.8,26.67) 11.43,26.67 U9.23 U14.2 ; v1(55.63,45.72) U2.29 ; v1(55.63,34.54) v1(32,34.54) 18.79,34.54 U5.25 ; v1(85.85,47.24) 79.76,47.24 U3.30 77.75,47.27 55.65,47.27 v1(55.63,47.24) ; v1(55.63,12.7) U8.1 ; v1(85.85,58.42) U4.7
  Bottom w0.127: v1(55.63,47.24) v1(55.63,45.72) v1(55.63,34.54) v1(55.63,12.7) ; U5.25 18.8,34.54 v1(18.8,26.67) ; R19.2 v1(32,34.54) ; v1(85.85,47.24) v1(85.85,58.42)
POKEY_AUDIO: length 28.7
  Top w0.127: U4.37 R15.1 v1(87.88,66.04)
  Bottom w0.127: v1(87.88,66.04) 87.88,80.42 87.02,81.28 J6.11
PWR_ON_3V3: length 12.9
  Top w0.127: U16.4 6.42,92.96 8.89,92.96 9.4,92.46 9.4,91.95 9.91,91.44 11.45,91.44 R16.2 15.24,93.23 J4.3
RDY: length 58.3
  Top w0.127: v1(44.96,72.14) 29.11,72.14 28.1,71.12 R2.1 U1.2 ; v1(44.96,38.1) U2.15
  Bottom w0.127: v1(44.96,72.14) v1(44.96,38.1)
SID: length 104.3
  Top w0.127: R49.1 52.45,88.91 52.45,85.62 R59.2 55.26,82.8 v1(70.87,82.8) ; U4.24 97.54,31.5 v1(70.87,31.5)
  Bottom w0.127: v1(70.87,31.5) v1(70.87,82.8)
SIO_CLOCK_IN: length 7.8
  Top w0.127: R51.2 58.42,97.79 J3.9
SIO_CLOCK_OUT: length 7.8
  Top w0.127: R50.2 55.88,97.79 J3.8
SIO_COMMAND: length 7.8
  Top w0.127: R47.2 48.26,97.79 J3.5
SIO_DATA_IN: length 7.8
  Top w0.127: J3.7 53.34,97.79 R49.2
SIO_DATA_OUT: length 7.8
  Top w0.127: J3.6 50.8,97.79 R48.2
SIO_IRQ: length 7.8
  Top w0.127: J3.2 40.64,97.79 R44.2
SIO_MOTOR: length 7.8
  Top w0.127: R46.2 45.72,97.79 J3.4
SIO_PROCEED: length 7.8
  Top w0.127: R45.2 43.18,97.79 J3.3
SOD: length 93.3
  Top w0.127: R48.1 49.91,88.91 49.91,85.62 R56.2 53.23,82.3 v1(68.33,82.3) ; U4.28 97.54,44.7 v1(68.33,44.7)
  Bottom w0.127: v1(68.33,82.3) v1(68.33,44.7)
SVIDEO_C: length 7.4
  Top w0.508: J9.4 82.09,89.71 J7.3
SVIDEO_C_GND: length 10.1
  Top w0.508: J7.4 83.57,88.65 83.57,91.63 J9.2
SVIDEO_Y: length 6.8
  Top w0.508: J7.1 72.39,87.61 J9.3
SVIDEO_Y_GND: length 9.5
  Top w0.508: J9.1 76.96,91.53 76.96,87.12 J7.2
T0: length 2
  Top w0.127: R4.1 U3.8
T1: length 2.2
  Top w0.127: U3.9 R5.1
Net-(J10-CC1): length 10.5
  Top w0.127: J10.A5 v1(7.48,93.73) ; R61.2 11.19,87.36 v1(11.18,87.38)
  Bottom w0.127: v1(11.18,87.38) 7.48,91.07 v1(7.48,93.73)
Net-(J10-CC2): length 10.5
  Top w0.127: v1(2.79,87.38) 2.76,87.34 R60.2 ; J10.B5 v1(6.48,93.73)
  Bottom w0.127: v1(6.48,93.73) 6.48,91.07 v1(2.79,87.38)
Net-(R18-Pad1): length 2.7
  Top w0.127: v1(50.55,61.47) 50.55,61.07 U7.4
  Bottom w0.127: v1(50.55,61.47) R18.1
Net-(R19-Pad1): length 4.2
  Top w0.127: v1(31.56,70.59) 31.09,71.05 U6.4
  Bottom w0.127: R19.1 32,70.14 v1(31.56,70.59)
Net-(R46-Pad1): length 42.5
  Top w0.127: v1(26.92,81.28) 37.19,81.28 R46.1 ; v1(26.92,72.39) 15.64,72.39
  Bottom w0.127: v1(26.92,81.28) v1(26.92,72.39)
Net-(U1-PHI2): length 5.2
  Top w0.127: U6.2 34.54,70.1 R3.1 U1.39
Net-(U2-PHI0): length 5.2
  Top w0.127: 53.88,59.94 55.4,58.42 U2.34
Net-(U3-OSC): length 42.3
  Top w0.127: U3.28 79.76,44.2 v1(89.53,44.2)
  Bottom w0.127: v1(89.53,44.2) 89.53,74.03 R17.1
Net-(U9-CLK/IN1): length 3.4
  Top w0.127: U9.1 2.54,13.82 U14.4
Net-(X1-OUT): length 3.2
  Top w0.127: X1.3 v1(93.54,75.69)
  Bottom w0.127: R17.2 92.78,74.93 v1(93.54,75.69)

## Copper pours and planes (outline as drawn; the poured copper is in the pictures)
+5V on In2.Cu: 101.6,0 0,0 0,101.6 101.6,101.6
GND on In1.Cu: 101.6,0 0,0 0,101.6 101.6,101.6

## Text on the board
B.Silkscreen: SFF 320XE v1.3 / © 2026 Daniel Picken / https://github.com/dpicken/atari-hw
